# Altium PCB Waffling60-MX.PcbDoc (part 2 of 3)
Units mm, origin at the board's own origin, x right, y up, seen from the top; angles counter-clockwise.
Board outline 284.7 x 94.21 mm, 2 copper layers (Component Side, Bottom Layer), stack 1.571 mm thick; 179 components, 117 nets, 927 pads, 147 vias.
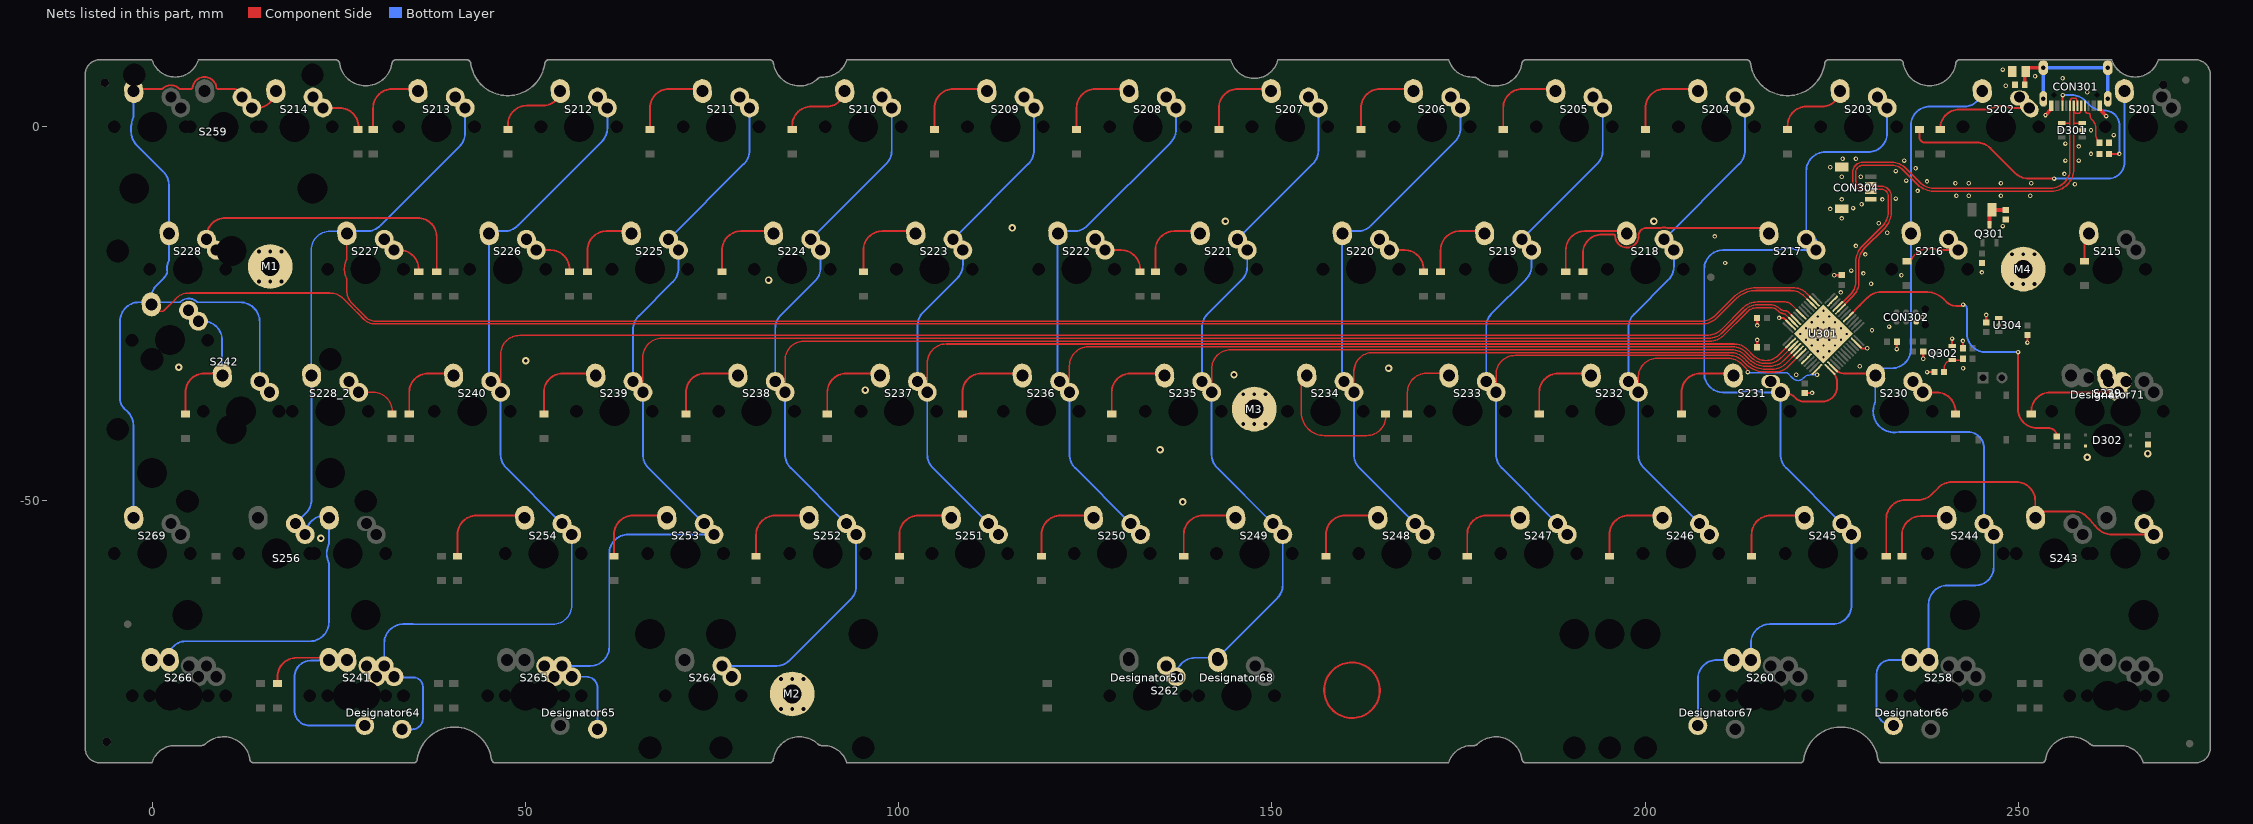
[diagram p2: the nets of this part, all layers, seen from the top]

## Via types
v1: diameter 0.6, hole 0.3, Component Side to Bottom Layer, tented both sides, 102 vias
v2: diameter 0.6, hole 0.3, Component Side to Bottom Layer, tented bottom, 25 vias
v3: diameter 1, hole 0.5, Component Side to Bottom Layer, tented both sides, 17 vias
v4: diameter 1, hole 0.6, Component Side to Bottom Layer, tented both sides, 3 vias

## Nets (pads, with @x,y where several pads share a name; then routed paths per layer and width w, separated by ;. In a path a pad name is that pad's centre, name@x,y a point inside that pad or via, vN(x,y) a via of type N, cw(c..) or ccw(c..) an arc to the next point about the centre after c; other vN are vias at no path point) (continued)
col2: Designator66.1 S202.2 S216.2 S230.2 S244.1 S258.2 U301.14 | length 124.8
  Component Side w0.254: U301.14@225.277,-32.315 225.597,-32.635 U301.14@225.62,-32.612 ; S230.2@230.822,-33.02 226.558,-33.02 cw(c226.558,-31.777) 225.776,-32.743 ccw(c225.617,-32.941) 225.77,-32.739 225.743,-32.726 ccw(c225.636,-32.956) 225.695,-32.71 225.683,-32.721 U301.14@225.679,-32.656 ; U301.14@225.62,-32.612 cw(c225.5,-32.836) U301.14@225.679,-32.656 ; U301.14@225.62,-32.612 cw(c225.5,-32.836) U301.14@225.679,-32.656
  Bottom Layer w0.254: Designator66.1@233.244,-80.2 cw(c233.244,-77.956) 231,-77.956 231,-73.25 cw(c232.84,-73.25) 232.84,-71.41 S258.2@235.626,-71.41 ; S258.2@237.967,-71.12 237.967,-63.952 cw(c240.507,-63.952) 240.507,-61.412 244.227,-61.412 ccw(c244.227,-58.942) 246.697,-58.942 S244.1@246.697,-54.61 ; S202.2@245.11,5.08 cw(c242.753,5.08) 242.753,2.723 238.125,2.723 ccw(c238.125,0.183) 235.585,0.183 235.585,-29.789 cw(c233.045,-29.789) 233.045,-32.329 231.513,-32.329 ccw(c231.513,-33.02) 230.822,-33.02 230.822,-36.803 cw(c230.569,-36.804) 230.799,-36.911 ccw(c233.362,-38.1) 234.025,-40.847 243.211,-40.847 cw(c243.211,-43.024) 245.388,-43.024 S244.1@245.388,-53.15
col3: Designator67.1 S203.2 S217.2 S231.2 S245.2 S260.2 U301.13 | length 143.7
  Component Side w0.254: S231.2@218.123,-35.56 218.339,-35.56 cw(c218.339,-38.1) 220.135,-36.304 220.224,-36.393 ccw(c221.144,-35.473) 220.975,-36.763 ccw(c221.144,-35.473) 221.144,-36.774 223.78,-36.774 ccw(c223.78,-34.869) 225.685,-34.869 225.685,-34.15 ccw(c223.948,-34.15) 225.178,-32.923 ccw(c223.948,-34.15) 225.176,-32.921 U301.13@224.923,-32.668
  Bottom Layer w0.254: Designator67.1@207.05,-80.2 207.05,-73.95 cw(c209.59,-73.95) 209.59,-71.41 S260.2@211.813,-71.41 ; S260.2@214.154,-71.12 214.154,-69.159 cw(c216.694,-69.159) 216.694,-66.619 225.108,-66.619 ccw(c225.108,-64.079) 227.648,-64.079 S245.2@227.648,-54.61 227.648,-53.313 ; 215.501,-35.536 ccw(c214.312,-38.1) 213.124,-35.536 cw(c213.017,-35.306) 213.017,-35.56 210.445,-35.56 cw(c210.445,-33.02) 207.905,-33.02 207.905,-19.05 cw(c210.445,-19.05) 210.445,-16.51 214.001,-16.51 217.779,-16.51 ccw(c217.779,-16.256) 217.886,-16.486 cw(c219.075,-19.05) 220.264,-16.486 ccw(c220.371,-16.256) 220.371,-16.51 S217.2@222.885,-16.51 222.885,-15.05 ; 215.608,-35.56 S231.2@218.123,-35.56 218.123,-43.883 ccw(c220.662,-43.883) 218.866,-45.679 S245.2@226.338,-53.15 ; S217.2@221.575,-15.05 221.575,-5.913 cw(c224.115,-5.913) 224.115,-3.373 229.87,-3.373 ccw(c229.87,-0.833) 232.41,-0.833 S203.2@232.41,2.54
col4: S204.2 S218.2 S232.2 S246.2 U301.12 | length 92.3
  Component Side w0.203: S232.2@199.072,-35.56 199.072,-33.538 cw(c201.612,-33.538) 199.228,-32.663 cw(c201.612,-33.538) 201.612,-30.998 211.11,-30.998 cw(c211.11,-33.538) 212.906,-31.742 213.048,-31.885 213.129,-31.965 213.567,-32.403 cw(c213.134,-32.837) v1(213.747,-32.837) ; U301.12@222.837,-32.668 222.684,-32.821 222.684,-32.884 v1(223.018,-33.218)
  Bottom Layer w0.203: v1(213.747,-32.837) ccw(c214.004,-32.58) 214.004,-32.943 216.414,-32.943 cw(c216.417,-34.1) 216.417,-32.943 218.852,-32.943 cw(c218.852,-33.447) 219.208,-33.091 219.78,-33.663 ccw(c220.545,-32.897) 220.545,-33.98 ccw(c220.545,-33.223) 221.081,-33.758 221.24,-33.599 cw(c222.16,-34.519) 222.129,-33.218 cw(c222.16,-34.519) 222.16,-33.218 v1(223.018,-33.218)
  Bottom Layer w0.254: S232.2@197.763,-34.1 197.763,-26.887 cw(c200.303,-26.887) 198.506,-25.091 203.091,-20.506 ccw(c201.295,-18.71) 203.835,-18.71 S218.2@203.835,-16.51 ; S232.2@199.072,-35.56 199.072,-43.883 ccw(c201.612,-43.883) 199.816,-45.679 S246.2@207.288,-53.15 ; S218.2@202.525,-15.05 212.616,-4.959 ccw(c210.82,-3.163) 213.36,-3.163 S204.2@213.36,2.54
col5: S205.2 S219.2 S233.2 S247.2 U301.6 | length 108.8
  Component Side w0.203: S233.2@180.022,-35.56 180.022,-33.155 cw(c182.562,-33.155) 180.128,-32.43 cw(c182.562,-33.155) 182.562,-30.615 211.269,-30.615 cw(c211.269,-33.155) 213.065,-31.359 213.399,-31.693 ccw(c216.154,-28.94) 213.405,-31.699 ccw(c216.154,-28.94) 216.154,-32.835 217.376,-32.835 ccw(c217.376,-30.295) 219.172,-32.091 U301.6@220.716,-30.547
  Bottom Layer w0.254: S233.2@178.713,-34.1 178.713,-26.76 cw(c181.253,-26.76) 179.456,-24.964 184.041,-20.379 ccw(c182.245,-18.583) 184.785,-18.583 S219.2@184.785,-16.51 ; S233.2@180.022,-35.56 180.022,-43.883 ccw(c182.562,-43.883) 180.766,-45.679 S247.2@188.238,-53.15 ; S219.2@183.475,-15.05 193.566,-4.959 ccw(c191.77,-3.163) 194.31,-3.163 S205.2@194.31,2.54
col6: S206.2 S220.2 S234.2 S248.2 U301.5 | length 135.1
  Component Side w0.203: S234.2@160.972,-35.56 160.972,-33.038 ; U301.5@220.362,-30.193 218.848,-31.708 cw(c217.052,-29.912) 217.052,-32.452 216.154,-32.452 cw(c216.154,-28.94) 213.675,-31.427 cw(c216.154,-28.94) 213.67,-31.422 213.59,-31.343 213.224,-30.976 ccw(c211.428,-32.772) 211.428,-30.232 163.512,-30.232 ccw(c163.512,-32.772) 161.513,-31.206 ; 160.972,-33.038 cw(c164.348,-33.038) 161.513,-31.206 ; 160.972,-33.038 160.972,-32.772 cw(c163.512,-32.772) 161.513,-31.206
  Bottom Layer w0.254: S248.2@169.188,-53.15 161.716,-45.679 cw(c163.512,-43.883) 160.972,-43.883 S234.2@160.972,-35.56 160.129,-34.716 cw(c161.925,-32.92) 159.385,-32.92 159.385,-13.97 161.458,-13.97 ccw(c161.458,-11.43) 163.254,-13.226 174.516,-1.964 ccw(c172.72,-0.168) 175.26,-0.168 S206.2@175.26,2.54 ; S248.2@170.22,-54.568 ccw(c170.498,-53.663) S248.2@170.498,-54.61
col7: Designator50.1 Designator68.2 S207.2 S221.2 S235.2 S249.2 S262.1 U301.4 | length 174
  Component Side w0.203: S235.2@141.922,-35.56 141.922,-32.389 cw(c144.463,-32.389) 142.469,-30.815 cw(c144.463,-32.389) 144.463,-29.849 211.586,-29.849 cw(c211.586,-32.389) 213.382,-30.593 213.607,-30.817 ccw(c213.752,-30.674) 213.608,-30.818 213.941,-31.151 ccw(c216.154,-28.94) 213.945,-31.155 ccw(c216.154,-28.94) 216.154,-32.068 216.728,-32.068 ccw(c216.728,-29.528) 218.524,-31.324 U301.4@220.009,-29.84
  Component Side w0.254: Designator68.2@142.407,-71.12 Designator68.2@142.407,-70.81
  Bottom Layer w0.254: Designator50.1@137.161,-73.66 cw(c139.701,-73.66) 139.701,-71.12 142.407,-71.12 Designator68.2@142.407,-71.064 ; S235.2@140.613,-34.1 140.613,-26.887 cw(c143.153,-26.887) 141.356,-25.091 145.941,-20.506 ccw(c144.145,-18.71) 146.685,-18.71 S221.2@146.685,-16.51 ; S235.2@141.922,-35.56 141.922,-43.883 ccw(c144.463,-43.883) 142.666,-45.679 S249.2@150.138,-53.15 ; S262.1@142.717,-71.12 150.704,-63.133 ccw(c148.908,-61.337) 151.448,-61.337 S249.2@151.448,-54.61 ; S221.2@145.375,-15.05 155.466,-4.959 ccw(c153.67,-3.163) 156.21,-3.163 S207.2@156.21,2.54
col8: S208.2 S222.2 S236.2 S250.2 U301.3 | length 169.1
  Component Side w0.203: S236.2@122.872,-35.56 122.872,-32.005 cw(c125.412,-32.005) 123.73,-30.103 cw(c125.412,-32.005) 125.412,-29.465 211.745,-29.465 cw(c211.745,-32.005) 213.541,-30.209 213.878,-30.547 214.211,-30.879 ccw(c216.154,-28.94) 214.215,-30.883 ccw(c216.154,-28.94) 216.154,-31.685 216.404,-31.685 ccw(c216.404,-29.145) 218.2,-30.941 U301.3@219.655,-29.486
  Bottom Layer w0.254: S236.2@121.563,-34.1 cw(c122.232,-33.43) 121.285,-33.43 121.285,-13.97 123.485,-13.97 ccw(c123.485,-11.43) 125.281,-13.226 136.416,-2.091 ccw(c134.62,-0.295) 137.16,-0.295 S208.2@137.16,2.54 ; S236.2@122.872,-35.56 122.872,-43.883 ccw(c125.412,-43.883) 123.616,-45.679 S250.2@131.088,-53.15
col9: S209.2 S223.2 S237.2 S251.2 U301.2 | length 188.8
  Component Side w0.203: S237.2@103.822,-35.56 103.822,-31.693 ; 105.949,-29.082 ccw(c106.489,-31.693) 105.071,-29.435 ccw(c106.489,-31.693) 103.822,-31.693 ; 214.484,-30.61 213.7,-29.826 ccw(c211.904,-31.622) 211.904,-29.082 106.362,-29.082 ccw(c106.362,-31.622) 105.071,-29.435 ccw(c106.362,-31.622) 103.822,-31.622 103.822,-31.693 ; 214.485,-30.611 ccw(c216.154,-28.94) 216.154,-31.302 ccw(c216.154,-28.94) 217.823,-30.611 ; 217.824,-30.61 U301.2@219.301,-29.133
  Bottom Layer w0.254: S237.2@102.513,-34.1 102.513,-26.633 cw(c105.053,-26.633) 103.256,-24.837 107.841,-20.252 ccw(c106.045,-18.456) 108.585,-18.456 S223.2@108.585,-16.51 ; S237.2@103.822,-35.56 103.822,-43.883 ccw(c106.362,-43.883) 104.566,-45.679 S251.2@112.038,-53.15 ; S223.2@107.275,-15.05 117.366,-4.959 ccw(c115.57,-3.163) 118.11,-3.163 S209.2@118.11,2.54
col10: S210.2 S224.2 S238.2 S252.2 S264.2 U301.46 | length 235.4
  Component Side w0.203: S238.2@84.772,-35.56 84.772,-31.239 cw(c87.312,-31.239) 87.312,-28.699 208.688,-28.699 ccw(c208.688,-26.159) 210.484,-27.955 213.662,-24.778 ; 213.662,-24.777 cw(c215.017,-26.133) 215.017,-24.216 216.799,-24.216 cw(c216.799,-25.548) 217.741,-24.606 cw(c216.799,-25.548) 217.745,-24.61 ccw(c218.681,-23.668) 217.998,-24.807 cw(c217.893,-24.981) 218.011,-24.816 ccw(c218.573,-24.032) 218.333,-24.966 cw(c218.281,-25.163) 218.398,-24.996 cw(c218.398,-25.642) 218.854,-25.185 U301.46@219.655,-25.986
  Bottom Layer w0.254: S264.2@76.319,-72.2 83.607,-72.2 ccw(c83.607,-69.66) 85.403,-71.456 93.554,-63.305 ccw(c91.758,-61.509) 94.298,-61.509 S252.2@94.298,-54.61 ; S238.2@83.463,-34.1 83.463,-27.014 cw(c86.003,-27.014) 84.206,-25.218 88.791,-20.633 ccw(c86.995,-18.837) 89.535,-18.837 S224.2@89.535,-16.51 ; S238.2@84.772,-35.56 84.772,-43.882 ccw(c87.312,-43.882) 85.516,-45.678 S252.2@92.988,-53.15 ; S224.2@88.225,-15.05 98.316,-4.959 ccw(c96.52,-3.163) 99.06,-3.163 S210.2@99.06,2.54
col11: Designator65.2 S211.2 S225.2 S239.2 S253.2 S265.1 U301.45 | length 271.1
  Component Side w0.203: S239.2@65.722,-35.56 65.722,-30.856 cw(c68.263,-30.856) 66.023,-29.657 cw(c68.263,-30.856) 68.263,-28.316 88.525,-28.316 206.508,-28.316 208.53,-28.316 ccw(c208.53,-25.776) 210.326,-27.572 213.389,-24.508 cw(c215.017,-26.133) 213.393,-24.505 cw(c215.017,-26.133) 215.017,-23.833 216.799,-23.833 cw(c216.799,-25.548) 218.011,-24.334 cw(c216.799,-25.548) 218.013,-24.336 ccw(c218.681,-23.668) 218.206,-24.485 cw(c218.104,-24.661) 218.225,-24.498 ccw(c218.573,-24.032) 218.573,-24.613 ccw(c218.573,-24.032) 218.61,-24.612 cw(c218.622,-24.815) 218.632,-24.612 ccw(c218.681,-23.668) 218.681,-24.613 cw(c218.681,-25.357) 219.207,-24.831 U301.45@220.009,-25.632
  Bottom Layer w0.254: S265.1@54.888,-72.2 58.68,-72.2 ccw(c58.68,-69.66) 61.22,-69.66 61.22,-57.15 cw(c63.76,-57.15) 63.76,-54.61 S253.2@75.248,-54.61 ; S265.1@56.198,-73.66 58.16,-73.66 cw(c58.16,-75.15) 59.65,-75.15 Designator65.2@59.65,-80.7 ; S239.2@64.413,-34.1 64.413,-27.141 cw(c66.953,-27.141) 65.156,-25.345 69.741,-20.76 ccw(c67.945,-18.964) 70.485,-18.964 S225.2@70.485,-16.51 ; S239.2@65.722,-35.56 65.722,-43.883 ccw(c68.263,-43.883) 66.466,-45.679 S253.2@73.938,-53.15 ; S225.2@69.175,-15.05 79.266,-4.959 ccw(c77.47,-3.163) 80.01,-3.163 S211.2@80.01,2.54
col12: Designator64.2 S212.2 S226.2 S240.2 S241.1 S254.2 U301.43 | length 301.6
  Component Side w0.203: S240.2@46.672,-35.56 46.672,-30.473 cw(c49.212,-30.473) 47.347,-28.749 cw(c49.212,-30.473) 49.212,-27.933 87.763,-27.933 206.254,-27.933 208.212,-27.933 ccw(c208.212,-25.009) 210.278,-27.078 ccw(c208.212,-25.009) 210.28,-27.075 213.117,-24.238 cw(c215.017,-26.133) 213.123,-24.233 cw(c215.017,-26.133) 215.017,-23.45 218.732,-23.45 cw(c218.732,-24.677) 219.6,-23.809 U301.43@220.716,-24.925
  Bottom Layer w0.203: 34.926,-66.619 53.658,-66.619 ccw(c53.658,-64.079) 56.198,-64.079 S254.2@56.198,-54.61
  Bottom Layer w0.254: S241.1@31.076,-72.2 31.076,-69.159 cw(c33.616,-69.159) 33.616,-66.619 34.926,-66.619 ; S241.1@32.386,-73.66 ccw(c32.476,-73.66) 32.476,-73.75 35,-73.75 cw(c35,-75) 36.25,-75 36.25,-79.25 cw(c34.8,-79.25) 34.8,-80.7 Designator64.2@33.456,-80.7 ; S240.2@45.363,-34.1 cw(c46.032,-33.43) 45.085,-33.43 45.085,-13.97 47.158,-13.97 ccw(c47.158,-11.43) 48.954,-13.226 60.216,-1.964 ccw(c58.42,-0.168) 60.96,-0.168 S212.2@60.96,2.54 ; S240.2@46.672,-35.56 46.672,-43.883 ccw(c49.212,-43.883) 47.416,-45.679 S254.2@54.888,-53.15
col13: S213.2 S227.2 S228_2.2 S256.2 S266.2 U301.38 | length 322.5
  Component Side w0.203: S227.2@26.035,-13.97 26.035,-17.741 cw(c25.832,-17.74) 26.016,-17.827 ccw(c28.575,-19.05) 25.801,-18.459 ccw(c28.575,-19.05) 25.801,-19.641 ccw(c28.575,-19.05) 26.021,-20.285 cw(c25.838,-20.372) 26.041,-20.371 26.041,-21.87 ccw(c28.581,-21.87) 26.785,-23.666 27.155,-24.036 27.377,-24.259 27.38,-24.261 27.823,-24.705 cw(c27.552,-24.976) 27.825,-24.706 28.416,-25.297 28.613,-25.494 ccw(c29.87,-24.243) 29.87,-26.017 207.577,-26.017 ccw(c207.577,-23.477) 209.373,-25.273 211.758,-22.888 cw(c215.017,-26.133) 211.772,-22.874 cw(c215.017,-26.133) 212.979,-22.01 ccw(c212.888,-21.829) 212.986,-22.006 cw(c214.793,-25.224) 214.793,-21.534 219.808,-21.534 cw(c219.808,-24.074) 221.604,-22.278 U301.38@222.483,-23.158
  Component Side w0.254: S227.2@26.035,-13.97 cw(c26.035,-14.357) S227.2@26.422,-14.357
  Bottom Layer w0.203: S256.2@20.48,-54.61 20.48,-53.15 ; S228_2.2@21.298,-33.31 21.298,-16.51 cw(c23.838,-16.51) 23.838,-13.97 S227.2@26.035,-13.97
  Bottom Layer w0.254: S266.2@2.223,-71.12 cw(c4.438,-71.12) 4.438,-68.905 21.115,-68.905 ccw(c21.115,-66.365) 23.655,-66.365 23.655,-58.447 ccw(c23.401,-58.446) 23.631,-58.339 cw(c26.195,-57.15) 23.631,-55.961 ccw(c23.401,-55.854) 23.655,-55.853 23.655,-52.07 23.12,-52.07 ccw(c23.12,-54.61) S256.2@20.58,-54.61 ; S256.2@19.17,-53.15 20.594,-51.726 ccw(c18.798,-49.93) 21.338,-49.93 S228_2.2@21.338,-33.31 ; S227.2@26.035,-13.97 28.743,-13.97 ccw(c28.743,-11.43) 30.539,-13.226 41.166,-2.599 ccw(c39.37,-0.803) 41.91,-0.803 S213.2@41.91,2.54
col14: S214.2 S228.2 S242.2 S259.2 S269.2 U301.39 | length 341.9
  Component Side w0.203: S242.2@-0.13,-23.78 0.462,-24.372 ccw(c1.276,-23.557) 1.276,-24.709 ccw(c1.276,-24.242) 1.607,-24.572 3.067,-23.111 ccw(c2.923,-22.968) 3.079,-23.098 cw(c4.87,-24.57) 4.935,-22.253 ccw(c4.939,-22.05) 4.944,-22.253 cw(c4.999,-23.947) 4.999,-22.252 23.777,-22.252 cw(c23.777,-24.792) 25.573,-22.996 26.585,-24.008 27.106,-24.529 cw(c26.837,-24.802) 27.108,-24.531 27.552,-24.976 ccw(c27.697,-24.833) 27.554,-24.977 28.343,-25.766 ccw(c29.87,-24.243) 29.87,-26.4 207.577,-26.4 ccw(c207.577,-23.477) 209.643,-25.545 ccw(c207.577,-23.477) 209.645,-25.542 212.03,-23.158 cw(c215.017,-26.133) 212.042,-23.146 cw(c215.017,-26.133) 213.157,-22.35 ccw(c213.067,-22.168) 213.165,-22.345 cw(c214.793,-25.224) 214.793,-21.917 219.484,-21.917 cw(c219.484,-24.457) 221.28,-22.661 U301.39@222.13,-23.511
  Component Side w0.254: S259.2@-2.5,5.08 0.384,5.08 1.247,5.08 ccw(c1.246,5.334) 1.419,5.148 cw(c2.5,4) 3.596,5.134 ccw(c3.771,5.318) 3.682,5.08 ccw(c3.771,5.318) 3.779,5.064 4.23,5.08 5.152,5.08 ccw(c5.152,5.334) 5.403,5.299 ; 5.403,5.3 5.466,5.5 ccw(c5.223,5.576) 5.469,5.512 cw(c6.996,5.119) 5.886,6.239 cw(c6.996,5.119) 8.251,6.074 ccw(c8.452,6.229) 8.266,6.056 cw(c7.464,5.299) 8.567,5.299 ccw(c8.818,5.334) 8.818,5.08 10.795,5.08 cw(c10.795,2.54) S259.2@13.335,2.54 13.97,2.54 ccw(c13.97,5.08) S214.2@16.51,5.08
  Bottom Layer w0.254: S269.2@-2.54,-52.07 -2.54,-39.979 ccw(c-5.08,-39.979) -3.284,-38.183 -3.804,-37.663 cw(c-2.578,-36.437) -4.312,-36.437 -4.312,-26.03 cw(c-1.772,-26.03) -1.772,-23.49 S242.2@-0.17,-23.49 ; S259.2@-2.54,5.08 -2.54,1.297 cw(c-2.794,1.296) -2.564,1.189 ccw(c0,0) -2.825,0.054 -2.825,-0.633 ccw(c-0.285,-0.633) -2.081,-2.429 1.479,-5.989 cw(c-0.318,-7.785) 2.222,-7.785 2.222,-17.839 cw(c1.968,-17.837) 2.202,-17.937 ccw(c4.763,-19.05) 2.001,-19.459 cw(c1.749,-19.496) 1.979,-19.604 cw(c-0.317,-18.519) 1.479,-20.315 0.574,-21.22 ccw(c2.37,-23.016) -0.17,-23.016 S242.2@-0.17,-23.49 ; 4.83,-22.993 cw(c4.87,-24.57) 5.933,-23.405 ; S242.2@15.71,-35.56 15.71,-35.41 S242.2@14.4,-34.1 14.4,-26.149 ccw(c11.741,-26.149) 11.741,-23.49 6.138,-23.49 cw(c6.138,-23.2) 5.964,-23.432 cw(c6.117,-23.229) 5.945,-23.416 ccw(c4.87,-24.57) 5.933,-23.405 ; S242.2@-0.17,-23.49 3.617,-23.49 ccw(c3.616,-23.236) 3.789,-23.422 cw(c4.87,-24.57) 5.933,-23.405
D_N: CON301.A7 CON301.B7 CON304.2 D301.3 U301.32 | length 69.6
  Component Side w0.2: U301.32@226.337,-24.218 226.337,-24.191 226.794,-23.735 226.794,-23.693 227.861,-22.626 ccw(c226.008,-20.774) 227.863,-22.624 ccw(c226.008,-20.774) 228.628,-20.774 228.628,-18.054 cw(c231.168,-18.054) 229.372,-16.258 232.086,-13.544 ccw(c230.01,-11.468) 232.946,-11.468 232.946,-9.215 ccw(c231.695,-9.215) 231.695,-7.963 230.523,-7.963 cw(c230.523,-7.665) CON304.2@230.225,-7.665 229.961,-7.665 ccw(c229.961,-8.174) 229.601,-7.814 cw(c229.241,-7.454) 229.241,-7.963 228.987,-7.963 cw(c228.987,-7.201) 228.225,-7.201 228.225,-6.04 cw(c229.114,-6.04) 229.114,-5.151 233.042,-5.151 cw(c233.042,-7.319) 234.575,-5.786 236.53,-7.741 ccw(c238.609,-5.663) 238.609,-8.602 254.457,-8.602 ccw(c254.457,-5.659) 257.4,-5.659 257.4,0.564 ; CON301.B7@258.4,2.835 258.35,2.765 258.348,2.765 ccw(c258.53,2.682) 258.33,2.682 258.33,2.11 cw(c258.05,2.11) 258.05,1.83 257.75,1.83 cw(c257.75,2.11) 257.47,2.11 257.47,2.682 ccw(c257.27,2.682) 257.452,2.765 257.45,2.765 CON301.A7@257.4,2.835 257.4,0.564 ; D301.3@258.556,0.498 257.559,0.498 cw(c257.559,0.723) 257.4,0.564
D_P: CON301.A6 CON301.B6 CON304.3 D301.4 U301.33 | length 69.1
  Component Side w0.2: U301.33@225.984,-23.865 226.011,-23.865 226.467,-23.408 226.509,-23.408 227.575,-22.342 ; 227.576,-22.341 ccw(c226.004,-20.772) 228.225,-20.772 228.225,-18.051 cw(c231.161,-18.051) 229.085,-15.975 231.799,-13.261 ccw(c230.003,-11.465) 232.543,-11.465 232.543,-9.215 ccw(c231.695,-9.215) 231.695,-8.367 230.523,-8.367 ccw(c230.523,-8.665) CON304.3@230.225,-8.665 229.961,-8.665 cw(c229.961,-8.156) 229.601,-8.516 ccw(c229.241,-8.876) 229.241,-8.367 228.987,-8.367 cw(c228.987,-7.201) 227.822,-7.201 227.822,-6.04 cw(c229.114,-6.04) 229.114,-4.748 233.047,-4.748 cw(c233.047,-7.307) 234.857,-5.498 236.814,-7.455 ccw(c238.61,-5.659) 238.61,-8.199 254.36,-8.199 ccw(c254.36,-5.659) 256.9,-5.659 256.9,0.564 ; D301.4@255.806,0.498 256.741,0.498 ccw(c256.741,0.723) 256.9,0.564 ; CON301.A6@257.9,2.835 257.85,3.406 257.848,3.406 cw(c258.03,3.489) 257.83,3.488 257.83,3.56 ccw(c257.55,3.56) 257.55,3.84 257.25,3.84 ccw(c257.25,3.56) 256.97,3.56 256.97,2.986 cw(c256.77,2.987) 256.968,2.958 256.95,2.958 CON301.B6@256.9,2.835 256.9,0.564
GND: C301.1 C302.1 C303.1 C304.1 C305.1 C306.1 C307.1 C308.1 C310.2 C311.1 C312.1 CON301.A1B12 CON301.B1A12 CON302.5 CON304.4 CON304.5 D301.2 D302.3 L301.1 M1.1 M2.1 M3.1 M4.1 Q302.2 R301.2 R302.2 R304.2 R305.2 R307.2 U301.8 U301.23 U301.35 U301.47 U304.1 | length 48.3
  Component Side w0.254: v1(217.938,-25.598) 218.371,-25.598 cw(c218.371,-26.054) 218.693,-25.732 U301.47@219.301,-26.34 ; U301.23@228.459,-29.133 228.471,-29.133 229,-29.662 v1(229.749,-29.662) ; CON302.5@236.306,-26.106 v1(237.115,-25.471)
  Component Side w0.279: 164.438,-75.341 cw(c160.721,-75.464) 164.438,-75.327
  Component Side w0.3: C305.1@215.002,-29.535 v1@215.002,-28.534 ; v1@215.002,-26.599 C304.1@215.002,-25.598 ; C302.1@221.367,-35.646 v1@222.368,-35.646 ; v1@225.319,-19.868 C303.1@226.32,-19.868 ; v1@233.701,-29.774 C301.1@233.701,-28.773 ; v1@237.242,-31.059 C310.2@237.242,-30.058 ; v1@237.75,-32.837 R305.2@238.751,-32.837 ; Q302.2@241.109,-29.347 v1@241.109,-28.346 ; R304.2@242.561,-29.662 v1@242.561,-28.661 ; C308.1@245.681,-26.176 v1@245.681,-25.175 ; v1@247.387,-26.595 U304.1@247.387,-25.594 ; v1@251.212,-28.9 C307.1@251.212,-27.899
  Component Side w0.5: v1(253.625,1.58) 254.35,2.36 CON301.B1A12@254.4,2.835 ; CON301.A1B12@260.9,2.835 260.95,2.36 v1(261.753,1.453)
  Bottom Layer w0.254: v2(223.102,-25.403) v2(223.88,-26.181) ; v2(223.88,-24.625) v2(224.658,-25.403) v2(225.436,-26.181) v2(226.213,-26.958) v2(226.991,-27.736)
  other v1: 222.36,-35.646 220.224,-33.218 237.758,-32.837 242.576,-32.329 228.733,-32.075 237.242,-31.051 233.701,-29.766 251.212,-28.892 242.561,-28.669 215.002,-28.542 241.109,-28.354 230.384,-27.249 232.67,-26.741 215.002,-26.591 247.387,-26.587 245.681,-25.183 226.193,-22.169 230.257,-21.026 234.321,-19.883 225.327,-19.868 229.241,-19.629 245.116,-19.502 227.59,-19.248 210.699,-18.232 229.495,-17.089 228.225,-15.946 209.302,-14.676 232.416,-14.168 247.91,-13.279 231.273,-12.898 226.32,-12.263 224.796,-10.993 227.844,-10.866 228.987,-10.358 226.32,-9.723 231.781,-9.723 233.559,-9.596 241.687,-9.215 243.338,-9.215 247.656,-9.215 251.593,-9.215 236.48,-8.58 257.562,-7.691 241.56,-7.564 243.338,-7.564 247.656,-7.564 251.72,-7.564 237.75,-7.31 234.956,-7.183 226.32,-6.675 228.86,-6.675 256.165,-6.294 233.559,-5.913 236.226,-5.532 224.796,-5.405 234.702,-4.516 256.292,-4.516 258.07,-4.516 226.447,-4.262 228.225,-4.262 259.721,-3.627 258.07,-2.611 256.292,-2.23 262.769,-1.087 259.721,-0.452 259.213,4.628 248.291,5.517 255.911,6.533 252.228,6.787 247.91,7.676
  other v2: 223.88,-30.847 223.102,-30.07 224.658,-30.07 222.324,-29.292 223.88,-29.292 225.436,-29.292 221.547,-28.514 223.102,-28.514 224.658,-28.514 226.213,-28.514 220.769,-27.736 222.324,-27.736 223.88,-27.736 225.436,-27.736 221.547,-26.958 223.102,-26.958 224.658,-26.958 222.324,-26.181
  other v3: 22.595,-55.095 138.055,-50.236 259.213,-44.267 267.341,-43.759 135.007,-43.251 95.51,-35.25 144.913,-33.218 165.614,-32.329 3.562,-32.202 50.044,-31.313 82.556,-20.518 115.195,-13.533 143.77,-12.644 201.174,-12.644
LED: R308.2 U301.29 | length 44.4
  Component Side w0.254: U301.29@227.398,-25.279 228.756,-23.921 229.832,-22.845 cw(c231.628,-24.641) 231.628,-22.101 237.629,-22.101 cw(c237.629,-24.068) 237.807,-22.109 ccw(c237.829,-21.856) 237.81,-22.109 cw(c237.57,-25.581) 240.029,-23.118 cw(c237.57,-25.581) 240.032,-23.122 240.376,-23.466 ccw(c241.595,-22.246) 240.378,-23.467 ccw(c241.595,-22.246) 241.595,-23.97 242.309,-23.97 242.482,-23.797 v1(242.576,-23.797) ; v1@249.942,-30.17 249.942,-37.79 ccw(c252.482,-37.79) 252.482,-40.33 254.021,-40.33 cw(c254.021,-41.458) R308.2@255.149,-41.458
  Bottom Layer w0.254: v1(242.576,-23.797) cw(c242.576,-24.305) 243.084,-24.305 243.084,-27.63 ccw(c245.624,-27.63) 243.118,-28.045 ccw(c245.624,-27.63) 245.209,-30.136 ccw(c245.624,-27.63) 245.624,-30.17 v1(249.95,-30.17)
NetC306_2: C306.2 F301.1 Q301.3 | length 4
  Component Side w0.5: Q301.3@246.132,-13.095 246.132,-11.454 cw(c246.466,-11.454) F301.1@246.466,-11.12 248.255,-11.12 ccw(c248.255,-11.069) C306.2@248.291,-11.105
NetC309_2: C309.2 Q302.1 R305.1 | length 3.8
  Component Side w0.203: R305.1@240.051,-32.837 240.051,-32.305 cw(c241.109,-32.305) Q302.1@241.109,-31.247 242.373,-31.247 ccw(c242.373,-31.059) C309.2@242.561,-31.059
NetC312_2: C312.2 CON301.S1 L301.2 | length 21.5
  Component Side w0.5: C312.2@250.846,5.644 250.846,7.279 cw(c250.989,7.279) L301.2@250.989,7.422 cw(c251.497,7.422) 251.497,7.93 CON301.S1@253.33,7.93
  Bottom Layer w0.5: CON301.S1@253.33,3.75 CON301.S1@253.33,7.93 CON301.S1@261.97,7.93 CON301.S1@261.97,3.75
NetCON301_A5: CON301.A5 R301.1 | length 5.7
  Component Side w0.203: CON301.A5@258.9,2.835 258.948,2.713 258.966,2.713 cw(c258.765,2.683) 258.968,2.683 258.968,2.11 ccw(c259.25,2.11) 259.25,1.828 259.384,1.828 cw(c259.383,1.625) 259.583,1.66 ccw(c260.61,1.836) 259.59,1.625 cw(c259.391,1.585) 259.594,1.586 259.594,1.58 ccw(c260.514,1.58) 259.863,0.93 259.975,0.818 cw(c259.055,-0.102) 260.356,-0.102 260.356,-0.96 ccw(c261.925,-0.96) 260.816,-2.07 R301.1@260.849,-2.103
NetCON301_B5: CON301.B5 R302.1 | length 16
  Component Side w0.254: CON301.B5@255.9,2.835 v1@255.9,4.253 ; R302.1@262.149,-3.627 v1(263.531,-3.627)
  Bottom Layer w0.254: v1(255.924,4.267) 257.125,4.267 cw(c257.125,1.727) 258.921,3.523 259.485,2.959 ccw(c261.281,4.755) 261.281,2.215 261.499,2.215 cw(c261.499,0.183) 263.531,0.183 v1(263.531,-3.627)
NetD201_1: D201.1 S201.1 | length 41.4
  Component Side w0.254: D201.1@236.734,-0.365 236.734,-1.341 ccw(c237.496,-1.341) 237.496,-2.103 244.445,-2.103 cw(c244.445,-4.643) 246.241,-2.847 249.579,-6.185 ccw(c251.375,-4.389) 251.375,-6.929 v1(254.768,-6.929)
  Bottom Layer w0.254: v1(254.768,-6.929) 262.041,-6.929 ccw(c262.041,-4.77) 264.2,-4.77 S201.1@264.2,4.79
NetD202_1: D202.1 S202.1 | length 15.4
  Component Side w0.254: D202.1@239.528,-0.365 239.528,-0.198 cw(c242.068,-0.198) 242.068,2.342 246.07,2.342 ccw(c246.068,2.596) 246.2,2.379 ; 247.817,2.781 ccw(c247.65,0) 246.2,2.379 ; S202.1@251.46,2.54 248.846,2.54 cw(c248.847,2.794) 248.748,2.56 ccw(c247.65,0) 246.2,2.379
NetD203_1: D203.1 S203.1 | length 10.3
  Component Side w0.254: D203.1@219.081,-0.365 219.081,0.183 cw(c221.621,0.183) 221.621,2.723 223.703,2.723 ccw(c223.703,5.08) S203.1@226.06,5.08
NetD204_1: D204.1 S204.1 | length 11.3
  Component Side w0.254: D204.1@200.031,-0.365 200.031,2.54 cw(c202.571,2.54) 202.571,5.08 S204.1@207.01,5.08
NetD205_1: D205.1 S205.1 | length 11.3
  Component Side w0.254: D205.1@180.981,-0.365 180.981,2.54 cw(c183.521,2.54) 183.521,5.08 S205.1@187.96,5.08
NetD206_1: D206.1 S206.1 | length 11.3
  Component Side w0.254: D206.1@161.931,-0.365 161.931,2.54 cw(c164.471,2.54) 164.471,5.08 S206.1@168.91,5.08
NetD207_1: D207.1 S207.1 | length 11.3
  Component Side w0.254: D207.1@142.881,-0.365 142.881,2.54 cw(c145.421,2.54) 145.421,5.08 S207.1@149.86,5.08
NetD208_1: D208.1 S208.1 | length 11.3
  Component Side w0.254: D208.1@123.831,-0.365 123.831,2.54 cw(c126.371,2.54) 126.371,5.08 S208.1@130.81,5.08
NetD209_1: D209.1 S209.1 | length 11.3
  Component Side w0.254: D209.1@104.781,-0.365 104.781,2.54 cw(c107.321,2.54) 107.321,5.08 S209.1@111.76,5.08
NetD210_1: D210.1 S210.1 | length 10.3
  Component Side w0.254: D210.1@85.731,-0.365 85.731,0.183 cw(c88.271,0.183) 88.271,2.723 90.353,2.723 ccw(c90.353,5.08) S210.1@92.71,5.08
NetD211_1: D211.1 S211.1 | length 11.3
  Component Side w0.254: D211.1@66.681,-0.365 66.681,2.54 cw(c69.221,2.54) 69.221,5.08 S211.1@73.66,5.08
NetD212_1: D212.1 S212.1 | length 10.4
  Component Side w0.254: D212.1@47.631,-0.365 47.631,0.31 cw(c50.171,0.31) 50.171,2.85 52.38,2.85 ccw(c52.38,5.08) S212.1@54.61,5.08
NetD213_1: D213.1 S213.1 | length 10.3
  Component Side w0.254: D213.1@29.597,-0.365 29.597,2.54 cw(c32.137,2.54) 32.137,5.08 S213.1@35.56,5.08
NetD214_1: D214.1 S214.1 | length 6.6
  Component Side w0.254: S214.1@22.86,2.54 25.091,2.54 cw(c25.091,0) 27.631,0 D214.1@27.631,-0.365
NetD215_1: D215.1 S215.1 | length 4.3
  Component Side w0.254: D215.1@258.832,-17.994 258.832,-14.536 cw(c259.397,-14.536) S215.1@259.397,-13.97
NetD216_1: D216.1 S216.1 | length 8.1
  Component Side w0.254: D216.1@235.083,-17.994 235.566,-17.895 235.574,-17.895 ccw(c235.393,-17.717) 235.593,-17.874 235.61,-17.852 ccw(c235.382,-17.74) 235.611,-17.85 cw(c238.125,-19.05) 236.293,-16.951 ; 236.793,-16.603 ccw(c238.125,-19.05) 236.293,-16.951 ; 238.13,-16.264 ccw(c238.125,-19.05) 238.12,-16.264 ccw(c238.125,-19.05) 236.293,-16.951 ; 238.131,-16.264 cw(c238.125,-19.05) 239.223,-16.49 ccw(c239.322,-16.256) 239.321,-16.51 S216.1@241.935,-16.51
NetD217_1: D217.1 S217.1 | length 31.8
  Component Side w0.254: D217.1@191.649,-19.415 191.649,-16.944 cw(c194.189,-16.944) 194.189,-14.404 195.789,-14.404 cw(c195.721,-14.649) 195.974,-14.628 195.983,-14.725 ccw(c197.554,-14.589) 199.114,-14.818 ccw(c197.554,-14.589) 199.126,-14.464 cw(c199.379,-14.445) 199.128,-14.405 cw(c200.158,-14.577) 200.158,-13.533 202.061,-13.533 ccw(c202.06,-13.279) 202.124,-13.525 cw(c202.525,-15.05) 202.926,-13.525 ccw(c202.99,-13.279) 202.989,-13.533 215.848,-13.533 cw(c215.848,-14.26) S217.1@216.575,-14.26
NetD218_1: D218.1 S218.1 | length 12.5
  Component Side w0.254: D218.1@189.363,-19.415 189.363,-16.51 cw(c191.903,-16.51) 191.903,-13.97 S218.1@197.485,-13.97
NetD219_1: D219.1 S219.1 | length 10.2
  Component Side w0.254: D219.1@172.599,-19.415 172.599,-16.51 cw(c175.139,-16.51) 175.139,-13.97 S219.1@178.435,-13.97
NetD220_1: D220.1 S220.1 | length 6.4
  Component Side w0.254: S220.1@165.735,-16.51 167.773,-16.51 cw(c167.773,-19.05) 170.313,-19.05 D220.1@170.313,-19.415
NetD221_1: D221.1 S221.1 | length 10.3
  Component Side w0.254: D221.1@134.372,-19.415 134.372,-16.51 cw(c136.912,-16.51) 136.912,-13.97 S221.1@140.335,-13.97
NetD222_1: D222.1 S222.1 | length 6.5
  Component Side w0.254: S222.1@127.635,-16.51 129.8,-16.51 cw(c129.8,-19.05) 132.34,-19.05 D222.1@132.34,-19.415
NetD223_1: D223.1 S223.1 | length 11.3
  Component Side w0.254: D223.1@95.256,-19.415 95.256,-16.51 cw(c97.796,-16.51) 97.796,-13.97 S223.1@102.235,-13.97
NetD224_1: D224.1 S224.1 | length 11.2
  Component Side w0.254: D224.1@76.333,-19.415 76.333,-16.51 cw(c78.873,-16.51) 78.873,-13.97 S224.1@83.185,-13.97
NetD225_1: D225.1 S225.1 | length 10.2
  Component Side w0.254: D225.1@58.299,-19.415 58.299,-16.51 cw(c60.839,-16.51) 60.839,-13.97 S225.1@64.135,-13.97
NetD226_1: D226.1 S226.1 | length 6.3
  Component Side w0.254: S226.1@51.435,-16.51 53.346,-16.51 cw(c53.346,-19.05) 55.886,-19.05 D226.1@55.886,-19.415
NetD227_1: D227.1 S227.1 | length 5
  Component Side w0.254: S227.1@32.385,-16.51 33.153,-16.51 cw(c33.153,-19.05) 35.693,-19.05 D227.1@35.693,-19.264
NetD228_1: D228.1 S228.1 | length 38.5
  Component Side w0.254: S228.1@7.263,-14.729 cw(c9.803,-14.729) 9.803,-12.189 35.566,-12.189 cw(c35.566,-14.729) 38.106,-14.729 ; D228.1@38.106,-19.415 38.106,-14.729 ; 38.106,-14.676 38.106,-14.729
NetD228_2_1: D228_2.1 S228_2.1 | length 6.3
  Component Side w0.203: S228_2.1@27.648,-35.56 29.597,-35.56 cw(c29.597,-38.1) 32.137,-38.1 D228_2.1@32.137,-38.465
NetD229_1: D229.1 Designator71.1 S229.2 | length 16.5
  Component Side w0.254: D229.1@251.72,-38.465 251.72,-38.1 cw(c254.26,-38.1) 254.26,-35.56 S229.2@263.366,-35.56 S229.2@261.779,-33.02
NetD230_1: D230.1 S230.1 | length 6.2
  Component Side w0.254: S230.1@237.172,-35.56 239.02,-35.56 cw(c239.02,-38.1) 241.56,-38.1 D230.1@241.56,-38.465
NetD231_1: D231.1 S231.1 | length 11.3
  Component Side w0.254: D231.1@204.857,-38.465 204.857,-35.56 cw(c207.397,-35.56) 207.397,-33.02 S231.1@211.772,-33.02
NetD232_1: D232.1 S232.1 | length 11.3
  Component Side w0.254: D232.1@185.807,-38.465 185.807,-35.56 cw(c188.347,-35.56) 188.347,-33.02 S232.1@192.722,-33.02
NetD233_1: D233.1 S233.1 | length 9.9
  Component Side w0.203: D233.1@168.154,-38.465 168.154,-35.56 cw(c170.694,-35.56) 170.694,-33.02 S233.1@173.672,-33.02
NetD234_1: D234.1 S234.1 | length 20.5
  Component Side w0.203: S234.1@154.623,-33.02 ccw(c154.623,-33.713) 153.93,-33.713 153.93,-38.246 ccw(c157.036,-38.246) 157.036,-41.352 162.693,-41.352 ccw(c162.693,-38.812) 165.233,-38.812 D234.1@165.233,-38.465
NetD235_1: D235.1 S235.1 | length 11.4
  Component Side w0.254: D235.1@128.53,-38.465 128.53,-35.56 cw(c131.07,-35.56) 131.07,-33.02 S235.1@135.572,-33.02
NetD236_1: D236.1 S236.1 | length 12.8
  Component Side w0.254: D236.1@108.53,-38.9 D236.1@108.53,-38.465 108.53,-35.56 cw(c111.07,-35.56) 111.07,-33.02 S236.1@116.522,-33.02
NetD237_1: D237.1 S237.1 | length 11.4
  Component Side w0.254: D237.1@90.43,-38.465 90.43,-35.56 cw(c92.97,-35.56) 92.97,-33.02 S237.1@97.472,-33.02
NetD238_1: D238.1 S238.1 | length 10.8
  Component Side w0.254: D238.1@71.507,-38.465 71.507,-35.56 cw(c74.047,-35.56) 74.047,-33.02 S238.1@77.969,-33.02
NetD239_1: D239.1 S239.1 | length 11.3
  Component Side w0.254: D239.1@52.457,-38.465 52.457,-35.56 cw(c54.997,-35.56) 54.997,-33.02 S239.1@59.372,-33.02
NetD240_1: D240.1 S240.1 | length 10.3
  Component Side w0.254: D240.1@34.423,-38.465 34.423,-35.56 cw(c36.963,-35.56) 36.963,-33.02 S240.1@40.322,-33.02
NetD241_1: D241.1 Designator64.1 S241.2 | length 30.2
  Component Side w0.254: D241.1@16.77,-74.565 16.77,-73.66 cw(c19.31,-73.66) 19.31,-71.12 S241.2@23.654,-71.12
  Bottom Layer w0.254: S241.2@23.694,-71.41 cw(c23.604,-71.41) 23.604,-71.5 21.25,-71.5 ccw(c21.25,-73.699) 19.051,-73.699 19.051,-78.174 ccw(c21.076,-78.174) 21.076,-80.2 Designator64.1@28.456,-80.2
NetD242_1: D242.1 S242.1 | length 18.3
  Component Side w0.254: D242.1@4.451,-38.465 4.451,-35.56 cw(c6.991,-35.56) 6.991,-33.02 S242.1@9.36,-33.02
  Bottom Layer w0.254: S242.1@6.18,-26.03 6.82,-26.03 cw(c6.82,-28.57) 9.36,-28.57 S242.1@9.36,-33.02
NetD243_1: D243.1 S243.1 | length 47.9
  Component Side w0.254: D243.1@232.289,-57.515 232.289,-52.522 cw(c234.829,-52.522) 234.829,-49.982 236.571,-49.982 ccw(c236.571,-47.442) 238.367,-49.238 239.292,-48.313 cw(c241.088,-50.109) 241.088,-47.569 249.714,-47.569 cw(c249.714,-50.109) 252.254,-50.109 S243.1@252.254,-52.07 ; S243.1@252.294,-52.36 253.148,-51.506 257.435,-51.506 cw(c257.435,-53.959) 259.17,-52.225 259.52,-52.575 ; 259.521,-52.576 259.532,-52.587 ccw(c269.21,-45.16) 260.571,-53.774 260.574,-53.777 ccw(c261.686,-52.659) 260.722,-53.906 cw(c260.566,-54.107) 260.738,-53.92 260.742,-53.923 ccw(c262.524,-51.954) 262.524,-54.61 ; 262.525,-54.61 S243.1@268.129,-54.61
NetD244_1: D244.1 S244.2 | length 10.3
  Component Side w0.254: D244.1@234.382,-57.515 234.382,-54.681 cw(c236.922,-54.681) 236.922,-52.141 S244.2@240.417,-52.141
NetD245_1: D245.1 S245.1 | length 11.4
  Component Side w0.254: D245.1@214.255,-57.515 214.255,-54.61 cw(c216.795,-54.61) 216.795,-52.07 S245.1@221.298,-52.07
NetD246_1: D246.1 S246.1 | length 11.4
  Component Side w0.254: D246.1@195.205,-57.515 195.205,-54.61 cw(c197.745,-54.61) 197.745,-52.07 S246.1@202.248,-52.07
NetD247_1: D247.1 S247.1 | length 11.4
  Component Side w0.254: D247.1@176.155,-57.515 176.155,-54.61 cw(c178.695,-54.61) 178.695,-52.07 S247.1@183.198,-52.07
NetD248_1: D248.1 S248.1 | length 11.3
  Component Side w0.254: D248.1@157.232,-57.515 157.232,-54.61 cw(c159.772,-54.61) 159.772,-52.07 S248.1@164.148,-52.07
NetD249_1: D249.1 S249.1 | length 12.5
  Component Side w0.254: D249.1@138.182,-57.515 138.182,-54.61 cw(c140.722,-54.61) 140.722,-52.07 S249.1@145.098,-52.07
  Bottom Layer w0.254: S249.1@145.098,-52.07 S249.1@145.098,-50.871
NetD250_1: D250.1 S250.1 | length 11.3
  Component Side w0.254: D250.1@119.132,-57.515 119.132,-54.61 cw(c121.672,-54.61) 121.672,-52.07 S250.1@126.048,-52.07
NetD251_1: D251.1 S251.1 | length 11.3
  Component Side w0.254: D251.1@100.082,-57.515 100.082,-54.61 cw(c102.622,-54.61) 102.622,-52.07 S251.1@106.998,-52.07
NetD252_1: D252.1 S252.1 | length 11.4
  Component Side w0.254: D252.1@80.905,-57.515 80.905,-54.61 cw(c83.445,-54.61) 83.445,-52.07 S252.1@87.948,-52.07
NetD253_1: D253.1 S253.1 | length 11.4
  Component Side w0.254: D253.1@61.855,-57.515 61.855,-54.61 cw(c64.395,-54.61) 64.395,-52.07 S253.1@68.898,-52.07
NetD254_1: D254.1 S254.1 | length 13.3
  Component Side w0.254: D254.1@40.9,-57.515 40.9,-54.61 cw(c43.44,-54.61) 43.44,-52.07 S254.1@49.848,-52.07